# KiCad board SCART_switcher.kicad_pcb (continued)
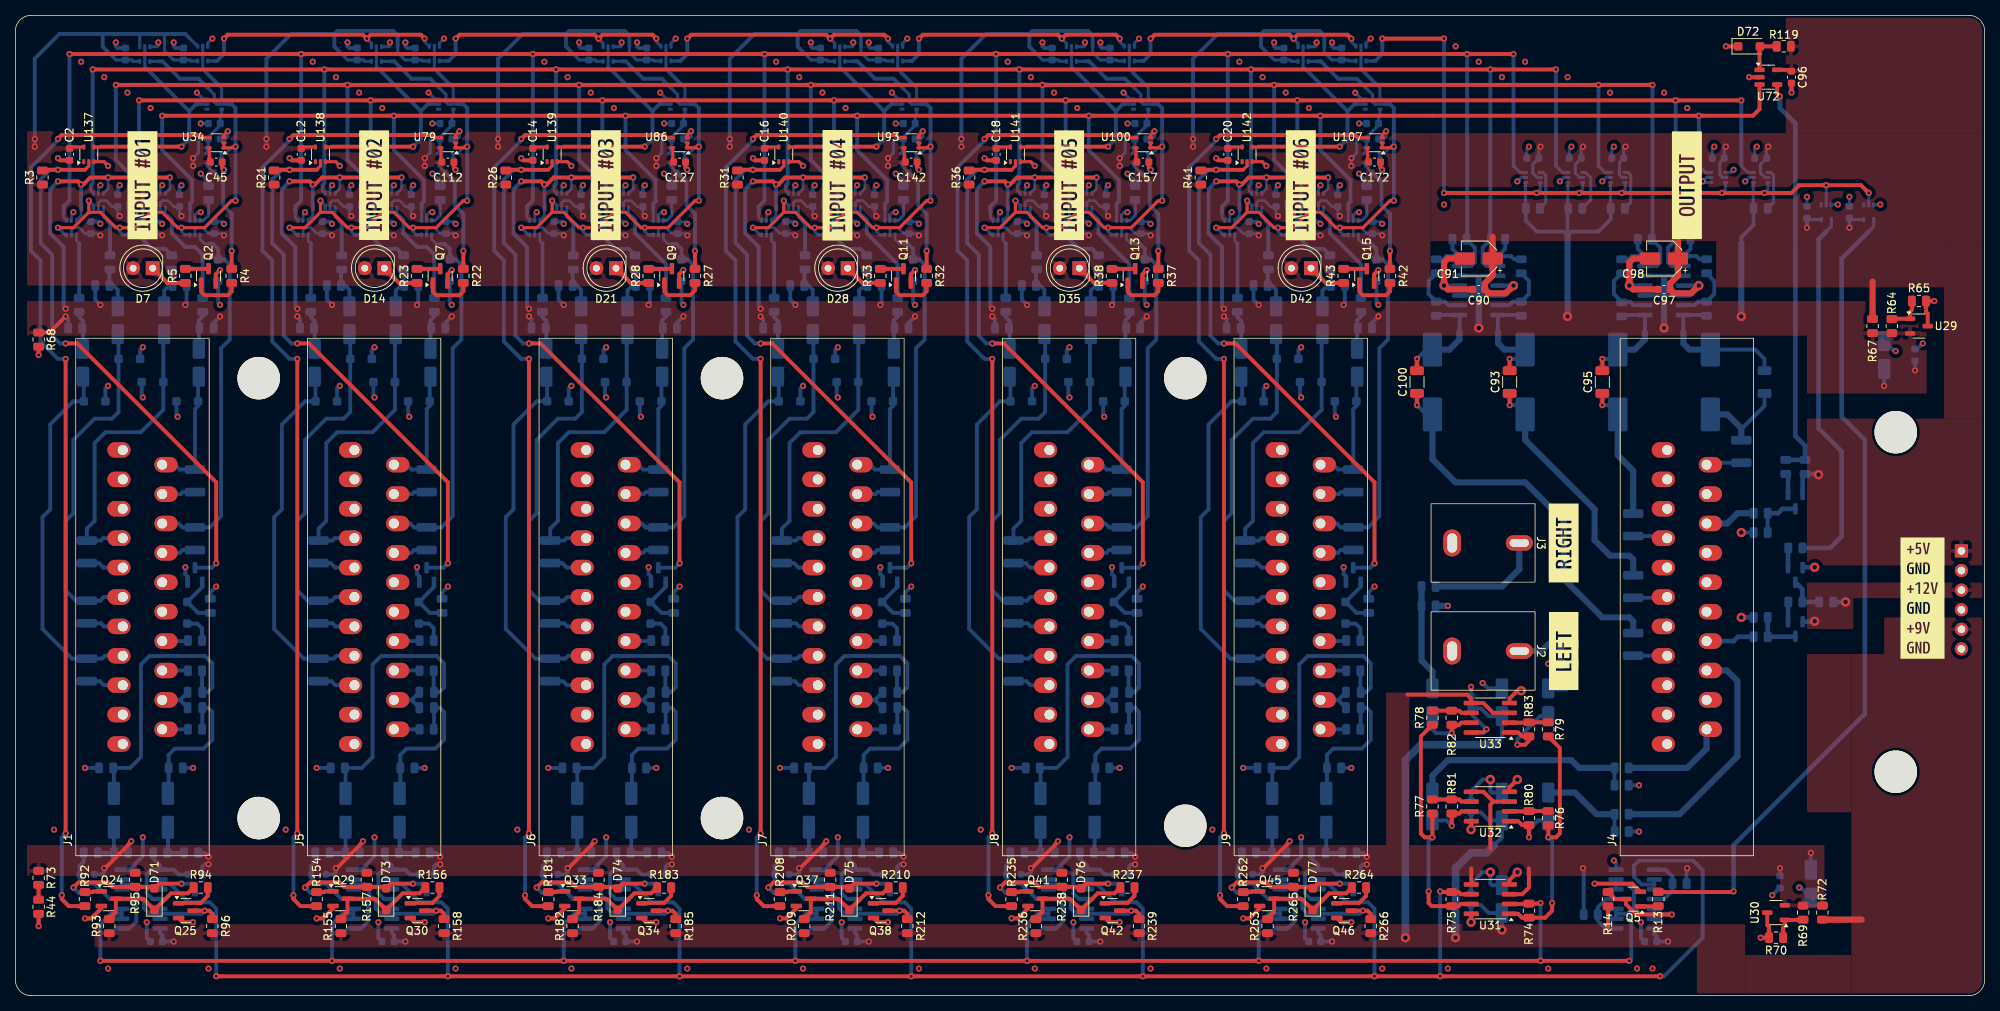
[diagram p0: board, top side]
## Routing (per net, layer and track width the routed paths; a pad name or vN(x,y) marks a point on that pad's centre or on a via; arc(x,y) is an arc through that point) (continued)
Net-(C175-Pad1): length 5.4
  Bottom w0.5: C175.1 R271.1 R273.1
Net-(C176-Pad1): length 5.5
  Bottom w0.5: R272.1 R274.1 169.75,18.59 C176.1
Net-(D6-A): length 7
  Bottom w0.5: R2.1 23.66,49.59 D6.2 24.2,52.95 Q1.1
Net-(D6-K): length 3.8
  Bottom w0.5: R1.2 24.16,47.59 23.55,48.2 D6.1
Net-(D7-K): length 5
  Top w0.5: D7.1 19.69,92.34 R5.1
Net-(D13-A): length 7
  Bottom w0.5: Q6.1 54.2,52.95 D13.2 53.66,49.59 R20.1
Net-(D13-K): length 3.8
  Bottom w0.5: D13.1 53.55,48.2 54.16,47.59 R19.2
Net-(D14-K): length 5
  Top w0.5: R23.1 49.69,92.34 D14.1
Net-(D20-A): length 7
  Bottom w0.5: Q8.1 84.2,52.95 D20.2 83.66,49.59 R25.1
Net-(D20-K): length 3.8
  Bottom w0.5: R24.2 84.16,47.59 83.55,48.2 D20.1
Net-(D21-K): length 5
  Top w0.5: D21.1 79.69,92.34 R28.1
Net-(D27-A): length 7
  Bottom w0.5: Q10.1 114.2,52.95 D27.2 113.66,49.59 R30.1
Net-(D27-K): length 3.8
  Bottom w0.5: R29.2 114.16,47.59 113.55,48.2 D27.1
Net-(D28-K): length 5
  Top w0.5: D28.1 109.69,92.34 R33.1
Net-(D34-A): length 7
  Bottom w0.5: Q12.1 144.2,52.95 D34.2 143.66,49.59 R35.1
Net-(D34-K): length 3.8
  Bottom w0.5: R34.2 144.16,47.59 143.55,48.2 D34.1
Net-(D35-K): length 5
  Top w0.5: D35.1 139.69,92.34 R38.1
Net-(D41-A): length 7
  Bottom w0.5: R40.1 173.66,49.59 D41.2 174.2,52.95 Q14.1
Net-(D41-K): length 3.8
  Bottom w0.5: D41.1 173.55,48.2 174.16,47.59 R39.2
Net-(D42-K): length 5
  Top w0.5: D42.1 169.69,92.34 R43.1
Net-(D71-K): length 14.8
  Top w0.5: 12.15,10 13,10.85 Q24.3 16.45,12.55 16.5,12.5 16.6,12.5 D71.1 20.15,13.25 22.34,13.25 R94.1
Net-(D73-K): length 14.8
  Top w0.5: R156.1 52.34,13.25 50.15,13.25 D73.1 46.6,12.5 46.5,12.5 46.45,12.55 Q29.3 43,10.85 42.15,10
Net-(D74-K): length 14.8
  Top w0.5: R183.1 82.34,13.25 80.15,13.25 D74.1 76.6,12.5 76.5,12.5 76.45,12.55 Q33.3 73,10.85 72.15,10
Net-(D75-K): length 14.8
  Top w0.5: 102.15,10 103,10.85 Q37.3 106.45,12.55 106.5,12.5 106.6,12.5 D75.1 110.15,13.25 112.34,13.25 R210.1
Net-(D76-K): length 14.8
  Top w0.5: R237.1 142.34,13.25 140.15,13.25 D76.1 136.6,12.5 136.5,12.5 136.45,12.55 Q41.3 133,10.85 132.15,10
Net-(D77-K): length 14.8
  Top w0.5: R264.1 172.34,13.25 170.15,13.25 D77.1 166.6,12.5 166.5,12.5 166.45,12.55 Q45.3 163,10.85 162.15,10
Net-(Q1-C): length 73
  Top w0.4: 9,107 9.5,107.5 U137.2
  Top w0.5: 9,107 v1(5.5,107) 3.59,107 R3.2 ; v1(6.5,84.5) 8,84.5 26,66.5 v1(26,56)
  Bottom w0.5: v1(6.5,84.5) 5.75,84.5 4.75,85.5 4.75,96 3.25,97.5 3.25,105.75 4.5,107 v1(5.5,107) ; Q1.3 25.44,55.44 v1(26,56)
Net-(Q2-B): length 6.5
  Top w0.5: Q2.1 24.05,91.2 24.5,90.75 27.5,90.75 28,91.25 R4.2
Net-(Q2-C): length 3
  Top w0.5: R5.2 24.97,94.16 Q2.3
Net-(Q3-B): length 2.6
  Bottom w0.6: Q3.1 229.55,57.96 R6.2
Net-(Q3-C): length 5.1
  Bottom w0.6: R7.2 R8.1 231.41,52.65 Q3.3
Net-(Q4-B): length 2.6
  Bottom w0.6: R8.2 229.55,50.96 Q4.1
Net-(Q4-C): length 6.1
  Bottom w0.6: Q4.3 230.44,46.5 R10.1 R9.1
Net-(Q5-B): length 2.3
  Top w0.5: Q5.1 212.71,11.55 R13.2
Net-(Q6-C): length 73
  Top w0.4: U138.2 39.5,107.5 39,107
  Top w0.5: v1(36.5,84.5) 38,84.5 56,66.5 v1(56,56) ; 39,107 v1(35.5,107) 33.59,107 R21.2
  Bottom w0.5: Q6.3 55.44,55.44 v1(56,56) ; v1(36.5,84.5) 35.75,84.5 34.75,85.5 34.75,96 33.25,97.5 33.25,105.75 34.5,107 v1(35.5,107)
Net-(Q7-B): length 6.5
  Top w0.5: R22.2 58,91.25 57.5,90.75 54.5,90.75 54.05,91.2 Q7.1
Net-(Q7-C): length 3
  Top w0.5: Q7.3 54.97,94.16 R23.2
Net-(Q8-C): length 73
  Top w0.4: U139.2 69.5,107.5 69,107
  Top w0.5: v1(66.5,84.5) 68,84.5 86,66.5 v1(86,56) ; 69,107 v1(65.5,107) 63.59,107 R26.2
  Bottom w0.5: Q8.3 85.44,55.44 v1(86,56) ; v1(66.5,84.5) 65.75,84.5 64.75,85.5 64.75,96 63.25,97.5 63.25,105.75 64.5,107 v1(65.5,107)
Net-(Q9-B): length 6.5
  Top w0.5: R27.2 88,91.37 87.37,90.75 84.5,90.75 84.05,91.2 Q9.1
Net-(Q9-C): length 3
  Top w0.5: Q9.3 84.97,94.16 R28.2
Net-(Q10-C): length 73
  Top w0.4: U140.2 99.5,107.5 99,107
  Top w0.5: R31.2 93.59,107 v1(95.5,107) 99,107 ; v1(116,56) 116,66.5 98,84.5 v1(96.5,84.5)
  Bottom w0.5: v1(96.5,84.5) 95.75,84.5 94.75,85.5 94.75,96 93.25,97.5 93.25,105.75 94.5,107 v1(95.5,107) ; v1(116,56) 115.44,55.44 Q10.3
Net-(Q11-B): length 6.5
  Top w0.5: Q11.1 114.05,91.2 114.5,90.75 117.5,90.75 118,91.25 R32.2
Net-(Q11-C): length 3
  Top w0.5: Q11.3 114.97,94.16 R33.2
Net-(Q12-C): length 73
  Top w0.4: 129,107 129.5,107.5 U141.2
  Top w0.5: v1(126.5,84.5) 128,84.5 146,66.5 v1(146,56) ; R36.2 123.59,107 v1(125.5,107) 129,107
  Bottom w0.5: v1(146,56) 145.44,55.44 Q12.3 ; v1(126.5,84.5) 125.75,84.5 124.75,85.5 124.75,96 123.25,97.5 123.25,105.75 124.5,107 v1(125.5,107)
Net-(Q13-B): length 6.5
  Top w0.5: R37.2 148,91.25 147.5,90.75 144.5,90.75 144.05,91.2 Q13.1
Net-(Q13-C): length 3
  Top w0.5: Q13.3 144.97,94.16 R38.2
Net-(Q14-C): length 73
  Top w0.4: U142.2 159.5,107.5 159,107
  Top w0.5: 159,107 v1(155.5,107) 153.59,107 R41.2 ; v1(176,56) 176,66.5 158,84.5 v1(156.5,84.5)
  Bottom w0.5: v1(176,56) 175.44,55.44 Q14.3 ; v1(155.5,107) 154.5,107 153.25,105.75 153.25,97.5 154.75,96 154.75,85.5 155.75,84.5 v1(156.5,84.5)
Net-(Q15-B): length 6.5
  Top w0.5: Q15.1 174.05,91.2 174.5,90.75 177.5,90.75 178,91.25 R42.2
Net-(Q15-C): length 3
  Top w0.5: Q15.3 174.97,94.16 R43.2
Net-(Q24-B): length 2.2
  Top w0.5: Q24.1 10.1,13.5 10.01,13.41 R92.2
Net-(Q25-B): length 5.3
  Top w0.5: Q25.1 21.17,12 24,12 24.91,12.91 R94.2
Net-(Q26-D): length 16.6
  Bottom w0.5: R103.2 8.84,17.34 8.3,16.8 Q26.1 8.3,15.25 9.05,14.5 10.22,14.5 12.22,12.5 U35.4 14.76,12.5 15.65,11.61 15.65,9.58 14.76,8.69 U35.1
Net-(Q27-D): length 12.9
  Bottom w0.5: U35.8 17.56,16.31 17,15.75 17,13.24 17.74,12.5 U35.11 ; U35.8 18.72,16.87 17.84,17.76 R104.2 ; U35.8 20.49,16.31 21.1,15.7 Q27.1
Net-(Q28-B): length 2.8
  Bottom w0.6: Q28.1 229.55,67.29 R127.2
Net-(Q28-C): length 6.3
  Bottom w0.5: R128.1 R129.2
  Bottom w0.6: R129.2 228.25,62.5 228.81,63.06 Q28.3
Net-(Q29-B): length 2.2
  Top w0.5: Q29.1 40.1,13.5 40.01,13.41 R154.2
Net-(Q30-B): length 5.3
  Top w0.5: R156.2 54.91,12.91 54,12 51.17,12 Q30.1
Net-(Q31-D): length 16.6
  Bottom w0.5: R165.2 38.84,17.34 38.3,16.8 Q31.1 38.3,15.25 39.05,14.5 40.22,14.5 42.22,12.5 U80.4 44.76,12.5 45.65,11.61 45.65,9.58 44.76,8.69 U80.1
Net-(Q32-D): length 12.9
  Bottom w0.5: U80.11 47.74,12.5 47,13.24 47,15.75 47.56,16.31 U80.8 ; U80.8 50.49,16.31 51.1,15.7 Q32.1 ; U80.8 48.72,16.87 47.84,17.76 R166.2
Net-(Q33-B): length 2.2
  Top w0.5: R181.2 70.01,13.41 70.1,13.5 Q33.1
Net-(Q34-B): length 5.3
  Top w0.5: Q34.1 81.17,12 84,12 84.91,12.91 R183.2
Net-(Q35-D): length 16.6
  Bottom w0.5: U87.1 74.76,8.69 75.65,9.58 75.65,11.61 74.76,12.5 U87.4 72.22,12.5 70.22,14.5 69.05,14.5 68.3,15.25 Q35.1 68.3,16.8 68.84,17.34 R192.2
Net-(Q36-D): length 12.9
  Bottom w0.5: U87.8 77.56,16.31 77,15.75 77,13.24 77.74,12.5 U87.11 ; U87.8 78.72,16.87 77.84,17.76 R193.2 ; U87.8 80.49,16.31 81.1,15.7 Q36.1
Net-(Q37-B): length 2.2
  Top w0.5: Q37.1 100.1,13.5 100.01,13.41 R208.2
Net-(Q38-B): length 5.3
  Top w0.5: Q38.1 111.17,12 114,12 114.91,12.91 R210.2
Net-(Q39-D): length 16.6
  Bottom w0.5: R219.2 98.84,17.34 98.3,16.8 Q39.1 98.3,15.25 99.05,14.5 100.22,14.5 102.22,12.5 U94.4 104.76,12.5 105.65,11.61 105.65,9.58 104.76,8.69 U94.1
Net-(Q40-D): length 12.9
  Bottom w0.5: Q40.1 111.1,15.7 110.49,16.31 U94.8 ; U94.8 108.72,16.87 107.84,17.76 R220.2 ; U94.8 107.56,16.31 107,15.75 107,13.24 107.74,12.5 U94.11
Net-(Q41-B): length 2.2
  Top w0.5: Q41.1 130.1,13.5 130.01,13.41 R235.2
Net-(Q42-B): length 5.3
  Top w0.5: R237.2 144.91,12.91 144,12 141.17,12 Q42.1
Net-(Q43-D): length 16.6
  Bottom w0.5: R246.2 128.84,17.34 128.3,16.8 Q43.1 128.3,15.25 129.05,14.5 130.22,14.5 132.22,12.5 U101.4 134.76,12.5 135.65,11.61 135.65,9.58 134.76,8.69 U101.1
Net-(Q44-D): length 12.9
  Bottom w0.5: U101.8 137.56,16.31 137,15.75 137,13.24 137.74,12.5 U101.11 ; U101.8 138.72,16.87 137.84,17.76 R247.2 ; U101.8 140.49,16.31 141.1,15.7 Q44.1
Net-(Q45-B): length 2.2
  Top w0.5: Q45.1 160.1,13.5 160.01,13.41 R262.2
Net-(Q46-B): length 5.3
  Top w0.5: R264.2 174.91,12.91 174,12 171.17,12 Q46.1
Net-(Q47-D): length 16.6
  Bottom w0.5: R273.2 158.84,17.34 158.3,16.8 Q47.1 158.3,15.25 159.05,14.5 160.22,14.5 162.22,12.5 U108.4 164.76,12.5 165.65,11.61 165.65,9.58 164.76,8.69 U108.1
Net-(Q48-D): length 12.9
  Bottom w0.5: U108.8 167.56,16.31 167,15.75 167,13.24 167.74,12.5 U108.11 ; U108.8 170.49,16.31 171.1,15.7 Q48.1 ; U108.8 168.72,16.87 167.84,17.76 R274.2
Net-(R4-Pad1): length 15
  Top w0.5: v1(28,96.5) R4.1
  Bottom w0.35: U2.4 24.8,107.5 25.5,106.8
  Bottom w0.5: 25.5,106.8 26.9,105.4 26.9,102.4 28,101.3 v1(28,96.5)
Net-(R6-Pad1): length 48.7
  Bottom w0.4: 234.5,99 235.15,99.65 U3.4
  Bottom w0.6: 234.5,99 233.5,98 233.5,73.5 236.5,70.5 236.5,59.5 235,58 R6.1
Net-(R11-Pad1): length 5.8
  Bottom w0.4: R11.1 204,103.09 204,105.98 203.33,106.65 U5.4
Net-(R12-Pad1): length 5.5
  Bottom w0.4: U6.4 208.83,106.65 209.17,106.31 209.17,102.76 R12.1
Net-(R13-Pad1): length 106.8
  Top w0.5: R13.1 222.41,13.41 v1(222.5,13.5)
  Bottom w0.4: U4.4 240.65,99.65 240,99
  Bottom w0.6: v1(222.5,13.5) 222.5,19.5 239.5,36.5 239.5,72 236.5,75 236.5,95.5 240,99
Net-(R15-Pad1): length 7.3
  Bottom w0.5: U8.4 206,12.5 204.91,11.41 R15.1 204.91,9.69 205.92,8.69 U8.1
Net-(R16-Pad1): length 5.5
  Bottom w0.4: R16.1 198.17,102.76 198.17,106.31 197.83,106.65 U9.4
Net-(R17-Pad1): length 5.5
  Bottom w0.4: U10.4 227.33,106.65 227.67,106.31 227.67,102.76 R17.1
Net-(R18-Pad1): length 7.4
  Bottom w0.5: U8.8 213.69,16.31 214.59,15.41 R18.1 214.59,13.59 213.5,12.5 U8.11
Net-(R22-Pad1): length 15
  Top w0.5: v1(58,96.5) R22.1
  Bottom w0.35: U12.4 54.8,107.5 55.5,106.8
  Bottom w0.5: v1(58,96.5) 58,101.3 56.9,102.4 56.9,105.4 55.5,106.8
Net-(R27-Pad1): length 15
  Top w0.5: v1(88,96.5) R27.1
  Bottom w0.35: 85.5,106.8 84.8,107.5 U14.4
  Bottom w0.5: 85.5,106.8 86.9,105.4 86.9,102.4 88,101.3 v1(88,96.5)
Net-(R32-Pad1): length 15
  Top w0.5: R32.1 v1(118,96.5)
  Bottom w0.35: 115.5,106.8 114.8,107.5 U16.4
  Bottom w0.5: 115.5,106.8 116.9,105.4 116.9,102.4 118,101.3 v1(118,96.5)
Net-(R37-Pad1): length 15
  Top w0.5: v1(148,96.5) R37.1
  Bottom w0.35: 145.5,106.8 144.8,107.5 U18.4
  Bottom w0.5: 145.5,106.8 146.9,105.4 146.9,102.4 148,101.3 v1(148,96.5)
Net-(R42-Pad1): length 15
  Top w0.5: v1(178,96.5) R42.1
  Bottom w0.35: 175.5,106.8 174.8,107.5 U20.4
  Bottom w0.5: 175.5,106.8 176.9,105.4 176.9,102.4 178,101.3 v1(178,96.5)
Net-(R44-Pad1): length 1.7
  Top w0.5: 3,14.09 R44.1
Net-(R74-Pad2): length 32.3
  Top w0.5: v1(199,12) 199,11 198.09,10.09 R74.2 195.1,10.09 194.59,10.59 U31.1 ; R76.1 v1(198.5,20.5) 199.5,20.5 200,21 200,32.09 R79.1
  Bottom w0.5: v1(198.5,20.5) 199,20 v1(199,12)
Net-(R75-Pad2): length 34
  Top w0.5: R77.1 v1(183.5,20.5) 182.5,20.5 182,21 182,33.59 R78.1 ; v1(183,13.5) 183,12 183.41,11.59 R75.2 186.89,11.59 187.16,11.86 U31.7
  Bottom w0.5: v1(183,13.5) 183,20 v1(183.5,20.5)
Net-(R92-Pad1): length 125.9
  Top w0.4: U34.4 24.45,111.15 24.1,111.5
  Top w0.5: v1(6.5,21) v1(6.5,82.5) ; 24.1,111.5 6,111.5 v1(5.5,111) ; v1(6,13) 6,12.5 6.91,11.59 R92.1
  Bottom w0.5: v1(6.5,82.5) 5.5,82.5 3.25,84.75 3.25,95.25 2,96.5 2,107.3 5.5,110.8 v1(5.5,111) ; v1(6.5,21) 6,20.5 v1(6,13)
Net-(R110-Pad2): length 6.5
  Bottom w0.35: U60.4 11.4,100.9 11.9,100.4
  Bottom w0.5: 11.9,100.4 12.25,100.05 R110.2
Net-(R111-Pad2): length 5.4
  Bottom w0.35: 16.57,97.87 U61.4
  Bottom w0.5: 16.57,97.87 17.7,96.75 19.41,96.75 R111.2
Net-(R112-Pad1): length 3.4
  Bottom w0.4: U62.3 24.35,100.45 25,101.1 R112.1
Net-(R117-Pad2): length 8.3
  Bottom w0.35: 8.22,97.47 7.9,97.8 U63.4
  Bottom w0.5: R117.2 8.25,97.45 8.22,97.47
Net-(R118-Pad2): length 14.4
  Bottom w0.35: 19.75,101 19.4,101.35 U64.4
  Bottom w0.5: 19.75,101 20.25,100.5 20.25,98.75 22,97 23.25,97 24.25,96 R118.2
Net-(R120-Pad2): length 5.8
  Bottom w0.5: R120.2 192.91,96.75 U71.1 193.69,95.81 194.09,95.41 R122.1
Net-(R121-Pad2): length 5.8
  Bottom w0.5: R121.2 210.09,96.75 U73.14 209.31,95.81 208.91,95.41 R123.1
Net-(R124-Pad2): length 52.6
  Top w0.5: U72.4 228.14,116.86 v1(228.5,116.5)
  Bottom w0.6: R127.1 R124.2 231.75,71.25 230.5,72.5 230.5,113 228.5,115 v1(228.5,116.5)
Net-(R132-Pad2): length 5.8
  Bottom w0.5: R132.2 186.09,96.75 U71.14 185.31,95.81 184.91,95.41 R134.1
Net-(R133-Pad2): length 5.8
  Bottom w0.5: R135.1 218.09,95.41 217.69,95.81 U73.1 216.91,96.75 R133.2
Net-(R145-Pad2): length 6.5
  Bottom w0.35: U74.4 41.4,100.9 41.9,100.4
  Bottom w0.5: 41.9,100.4 42.25,100.05 R145.2
Net-(R146-Pad2): length 5.4
  Bottom w0.35: 46.57,97.87 U75.4
  Bottom w0.5: 46.57,97.87 47.7,96.75 49.41,96.75 R146.2
Net-(R147-Pad1): length 3.4
  Bottom w0.4: U76.3 54.35,100.45 55,101.1 R147.1
Net-(R152-Pad2): length 8.3
  Bottom w0.35: 38.22,97.47 37.9,97.8 U77.4
  Bottom w0.5: R152.2 38.25,97.45 38.22,97.47
Net-(R153-Pad2): length 14.4
  Bottom w0.35: 49.75,101 49.4,101.35 U78.4
  Bottom w0.5: R153.2 54.25,96 53.25,97 52,97 50.25,98.75 50.25,100.5 49.75,101
Net-(R154-Pad1): length 125.9
  Top w0.4: 54.1,111.5 54.45,111.15 U79.4
  Top w0.5: v1(36.5,21) v1(36.5,82.5) ; v1(36,13) 36,12.5 36.91,11.59 R154.1 ; 54.1,111.5 36,111.5 v1(35.5,111)
  Bottom w0.5: v1(36.5,21) 36,20.5 v1(36,13) ; v1(35.5,111) 35.5,110.8 32,107.3 32,96.5 33.25,95.25 33.25,84.75 35.5,82.5 v1(36.5,82.5)
Net-(R172-Pad2): length 6.5
  Bottom w0.35: U81.4 71.4,100.9 71.9,100.4
  Bottom w0.5: 71.9,100.4 72.25,100.05 R172.2
Net-(R173-Pad2): length 5.4
  Bottom w0.35: 76.57,97.87 U82.4
  Bottom w0.5: R173.2 79.41,96.75 77.7,96.75 76.57,97.87
Net-(R174-Pad1): length 3.4
  Bottom w0.4: R174.1 85,101.1 84.35,100.45 U83.3
Net-(R179-Pad2): length 8.3
  Bottom w0.35: 68.22,97.47 67.9,97.8 U84.4
  Bottom w0.5: R179.2 68.25,97.45 68.22,97.47
Net-(R180-Pad2): length 13.6
  Bottom w0.35: U85.4 79.4,101.35 79.75,101
  Bottom w0.5: 79.75,101 80.25,100.5 80.25,98.75 84.25,94.75 R180.2
Net-(R181-Pad1): length 125.9
  Top w0.4: 84.1,111.5 84.45,111.15 U86.4
  Top w0.5: v1(65.5,111) 66,111.5 84.1,111.5 ; v1(66.5,21) v1(66.5,82.5) ; v1(66,13) 66,12.5 66.91,11.59 R181.1
  Bottom w0.5: v1(66.5,21) 66,20.5 v1(66,13) ; v1(65.5,111) 65.5,110.8 62,107.3 62,96.5 63.25,95.25 63.25,84.75 65.5,82.5 v1(66.5,82.5)
Net-(R199-Pad2): length 6.5
  Bottom w0.35: 101.9,100.4 101.4,100.9 U88.4
  Bottom w0.5: 101.9,100.4 102.25,100.05 R199.2
Net-(R200-Pad2): length 5.4
  Bottom w0.35: 106.57,97.87 U89.4
  Bottom w0.5: 106.57,97.87 107.7,96.75 109.41,96.75 R200.2
Net-(R201-Pad1): length 3.4
  Bottom w0.4: R201.1 115,101.1 114.35,100.45 U90.3
Net-(R206-Pad2): length 8.3
  Bottom w0.35: U91.4 97.9,97.8 98.22,97.47
  Bottom w0.5: 98.22,97.47 98.25,97.45 R206.2
Net-(R207-Pad2): length 13.6
  Bottom w0.35: 109.75,101 109.4,101.35 U92.4
  Bottom w0.5: 109.75,101 110.25,100.5 110.25,98.75 114.25,94.75 R207.2
Net-(R208-Pad1): length 125.9
  Top w0.4: U93.4 114.45,111.15 114.1,111.5
  Top w0.5: v1(95.5,111) 96,111.5 114.1,111.5 ; v1(96.5,21) v1(96.5,82.5) ; R208.1 96.91,11.59 96,12.5 v1(96,13)
  Bottom w0.5: v1(96,13) 96,20.5 v1(96.5,21) ; v1(95.5,111) 95.5,110.8 92,107.3 92,96.5 93.25,95.25 93.25,84.75 95.5,82.5 v1(96.5,82.5)
Net-(R226-Pad2): length 6.5
  Bottom w0.35: U95.4 131.4,100.9 131.9,100.4
  Bottom w0.5: 131.9,100.4 132.25,100.05 R226.2
Net-(R227-Pad2): length 5.4
  Bottom w0.35: 136.57,97.87 U96.4
  Bottom w0.5: 136.57,97.87 137.7,96.75 139.41,96.75 R227.2
Net-(R228-Pad1): length 3.4
  Bottom w0.4: U97.3 144.35,100.45 145,101.1 R228.1
Net-(R233-Pad2): length 8.3
  Bottom w0.35: 128.22,97.47 127.9,97.8 U98.4
  Bottom w0.5: 128.22,97.47 128.25,97.45 R233.2
Net-(R234-Pad2): length 13.6
  Bottom w0.35: 139.75,101 139.4,101.35 U99.4
  Bottom w0.5: R234.2 144.25,94.75 140.25,98.75 140.25,100.5 139.75,101
Net-(R235-Pad1): length 125.9
  Top w0.4: 144.1,111.5 144.45,111.15 U100.4
  Top w0.5: v1(126,13) 126,12.5 126.91,11.59 R235.1 ; v1(125.5,111) 126,111.5 144.1,111.5 ; v1(126.5,21) v1(126.5,82.5)
  Bottom w0.5: v1(126.5,21) 126,20.5 v1(126,13) ; v1(125.5,111) 125.5,110.8 122,107.3 122,96.5 123.25,95.25 123.25,84.75 125.5,82.5 v1(126.5,82.5)
Net-(R253-Pad2): length 6.5
  Bottom w0.35: 161.9,100.4 161.4,100.9 U102.4
  Bottom w0.5: 161.9,100.4 162.25,100.05 R253.2
Net-(R254-Pad2): length 5.4
  Bottom w0.35: 166.57,97.87 U103.4
  Bottom w0.5: 166.57,97.87 167.7,96.75 169.41,96.75 R254.2
Net-(R255-Pad1): length 3.4
  Bottom w0.4: R255.1 175,101.1 174.35,100.45 U104.3
Net-(R260-Pad2): length 8.3
  Bottom w0.35: 158.22,97.47 157.9,97.8 U105.4
  Bottom w0.5: 158.22,97.47 158.25,97.45 R260.2
Net-(R261-Pad2): length 13.6
  Bottom w0.35: U106.4 169.4,101.35 169.75,101
  Bottom w0.5: R261.2 174.25,94.75 170.25,98.75 170.25,100.5 169.75,101
Net-(R262-Pad1): length 125.9
  Top w0.4: U107.4 173.85,111.15 173.75,111.25
  Top w0.5: 173.75,111.25 173.5,111.5 156,111.5 v1(155.5,111) ; v1(156,13) 156,12.5 156.91,11.59 R262.1 ; v1(156.5,21) v1(156.5,82.5)
  Bottom w0.5: v1(156,13) 156,20.5 v1(156.5,21) ; v1(155.5,111) 155.5,110.8 152,107.3 152,96.5 153.25,95.25 153.25,84.75 155.5,82.5 v1(156.5,82.5)
Net-(U29-FB): length 4.8
  Top w0.5: R64.2 243.04,87.7 U29.1 245.36,88.61 245.59,88.84 R65.1
Net-(U30-FB): length 4.8
  Top w0.5: R69.2 231.46,9.8 U30.1 229.14,9 228.91,8.77 R70.1
Net-(U32A--): length 5
  Top w0.5: R76.2 R80.1 195.95,23.86 U32.2
Net-(U32B--): length 5.1
  Top w0.5: R77.2 R81.1 186.99,25.41 187.26,25.13 U32.6
Net-(U33A--): length 5
  Top w0.5: U33.2 195.95,35.36 R83.1 R79.2
Net-(U33B--): length 5.1
  Top w0.5: U33.6 187.26,36.63 186.99,36.91 R82.1 R78.2
Net-(U36-Pad4): length 7.9
  Bottom w0.4: 24.7,119.6 24.25,120.05 U38.2 ; 26.2,118.1 26.7,117.6 U36.4
  Bottom w0.5: 26.2,118.1 24.7,119.6
Net-(U39-Pad4): length 7.9
  Bottom w0.4: 56.2,118.1 56.7,117.6 U39.4 ; 54.7,119.6 54.25,120.05 U41.2
  Bottom w0.5: 56.2,118.1 54.7,119.6
Net-(U42-Pad4): length 7.9
  Bottom w0.4: 84.7,119.6 84.25,120.05 U44.2 ; U42.4 86.7,117.6 86.2,118.1
  Bottom w0.5: 86.2,118.1 84.7,119.6
Net-(U45-Pad4): length 7.9
  Bottom w0.4: U45.4 116.7,117.6 116.2,118.1 ; U47.2 114.25,120.05 114.7,119.6
  Bottom w0.5: 116.2,118.1 114.7,119.6
Net-(U48-Pad4): length 7.9
  Bottom w0.4: 144.7,119.6 144.25,120.05 U50.2 ; U48.4 146.7,117.6 146.2,118.1
  Bottom w0.5: 146.2,118.1 144.7,119.6
Net-(U51-Pad4): length 7.9
  Bottom w0.4: 176.2,118.1 176.7,117.6 U51.4 ; 174.7,119.6 174.25,120.05 U53.2
  Bottom w0.5: 176.2,118.1 174.7,119.6
Net-(U71B--): length 7.7
  Bottom w0.5: U71.6 193.46,89.46 193.91,89.91 R125.1 196,90.91 196,92.59 R122.2
Net-(U71C--): length 7.7
  Bottom w0.5: R134.2 183,92.59 183,90.91 R136.1 185.09,89.91 185.54,89.46 U71.9
Net-(U73B--): length 7.7
  Bottom w0.5: U73.6 217.46,89.46 217.91,89.91 R137.1 220,90.91 220,92.59 R135.2
Net-(U73C--): length 7.7
  Bottom w0.5: U73.9 209.54,89.46 209.09,89.91 208,89.91 207,90.91 207,92.59 R123.2

## Copper pours and planes (outline as drawn; the poured copper is in the pictures)
+2V5 on Top: 232,78 232,90 247.5,90 247.5,78
+2V5 on Top: 1.5,90 1.5,85.5 232,85.5 232,90
+4V5 on Top: 234.25,15.5 234.25,11 228.5,11 228.5,15.5
+4V5 on Top: 1.5,19.5 234.25,19.5 234.25,15.5 1.5,15.5
+4V5 on Top: 177.5,15.5 177.5,39.25 180.5,39.25 180.5,15.5
+5V on Top: 254.75,111.75 254.75,126.75 229.25,126.75 229.25,111.75
+5V on Top: 183.25,97.75 254.75,97.75 254.75,111.75 183.25,111.75
+5V on Top: 254.75,74.75 232,74.75 232,55.75 254.75,55.75
+5V on Top: 220.25,91.75 220.25,97.75 249.75,97.75 249.75,91.75
+5V on Top: 1.5,112 183.25,111.75 183.25,91.75 1.5,92
+5V on Top: 254.75,97.75 249.75,97.75 249.75,74.75 254.75,74.75
+9V on Top: 255,44.25 255,49 242,49 242,44.25
+9V on Top: 224,9.25 217.75,9.25 217.75,0 224,0
+9V on Top: 10.25,9.25 217.75,9.25 217.75,6.25 10.25,6.25
+9V on Top: 237.75,44.25 232,44.25 232,23.75 237.75,23.75
+9V on Top: 255,0 237.75,0 237.75,44.25 255,44.25
+9V on Top: 224,0 237.75,0 237.75,5.25 224,5.25
+12V on Top: 232,51.5 232,47.5 238,47.5 238,51.5
+12V on Top: 254.95,53.5 254.95,51.5 232,51.5 232,53.5
GND on In1.Cu, In2.Cu: 0,127 255,127 255,0 0,0

Small or netless copper shapes (teardrops, artwork), in the pictures only: 715 on Top, 1916 on Bottom
